# Altium PCB PCB1.PcbDoc (part 1 of 2) (continued)
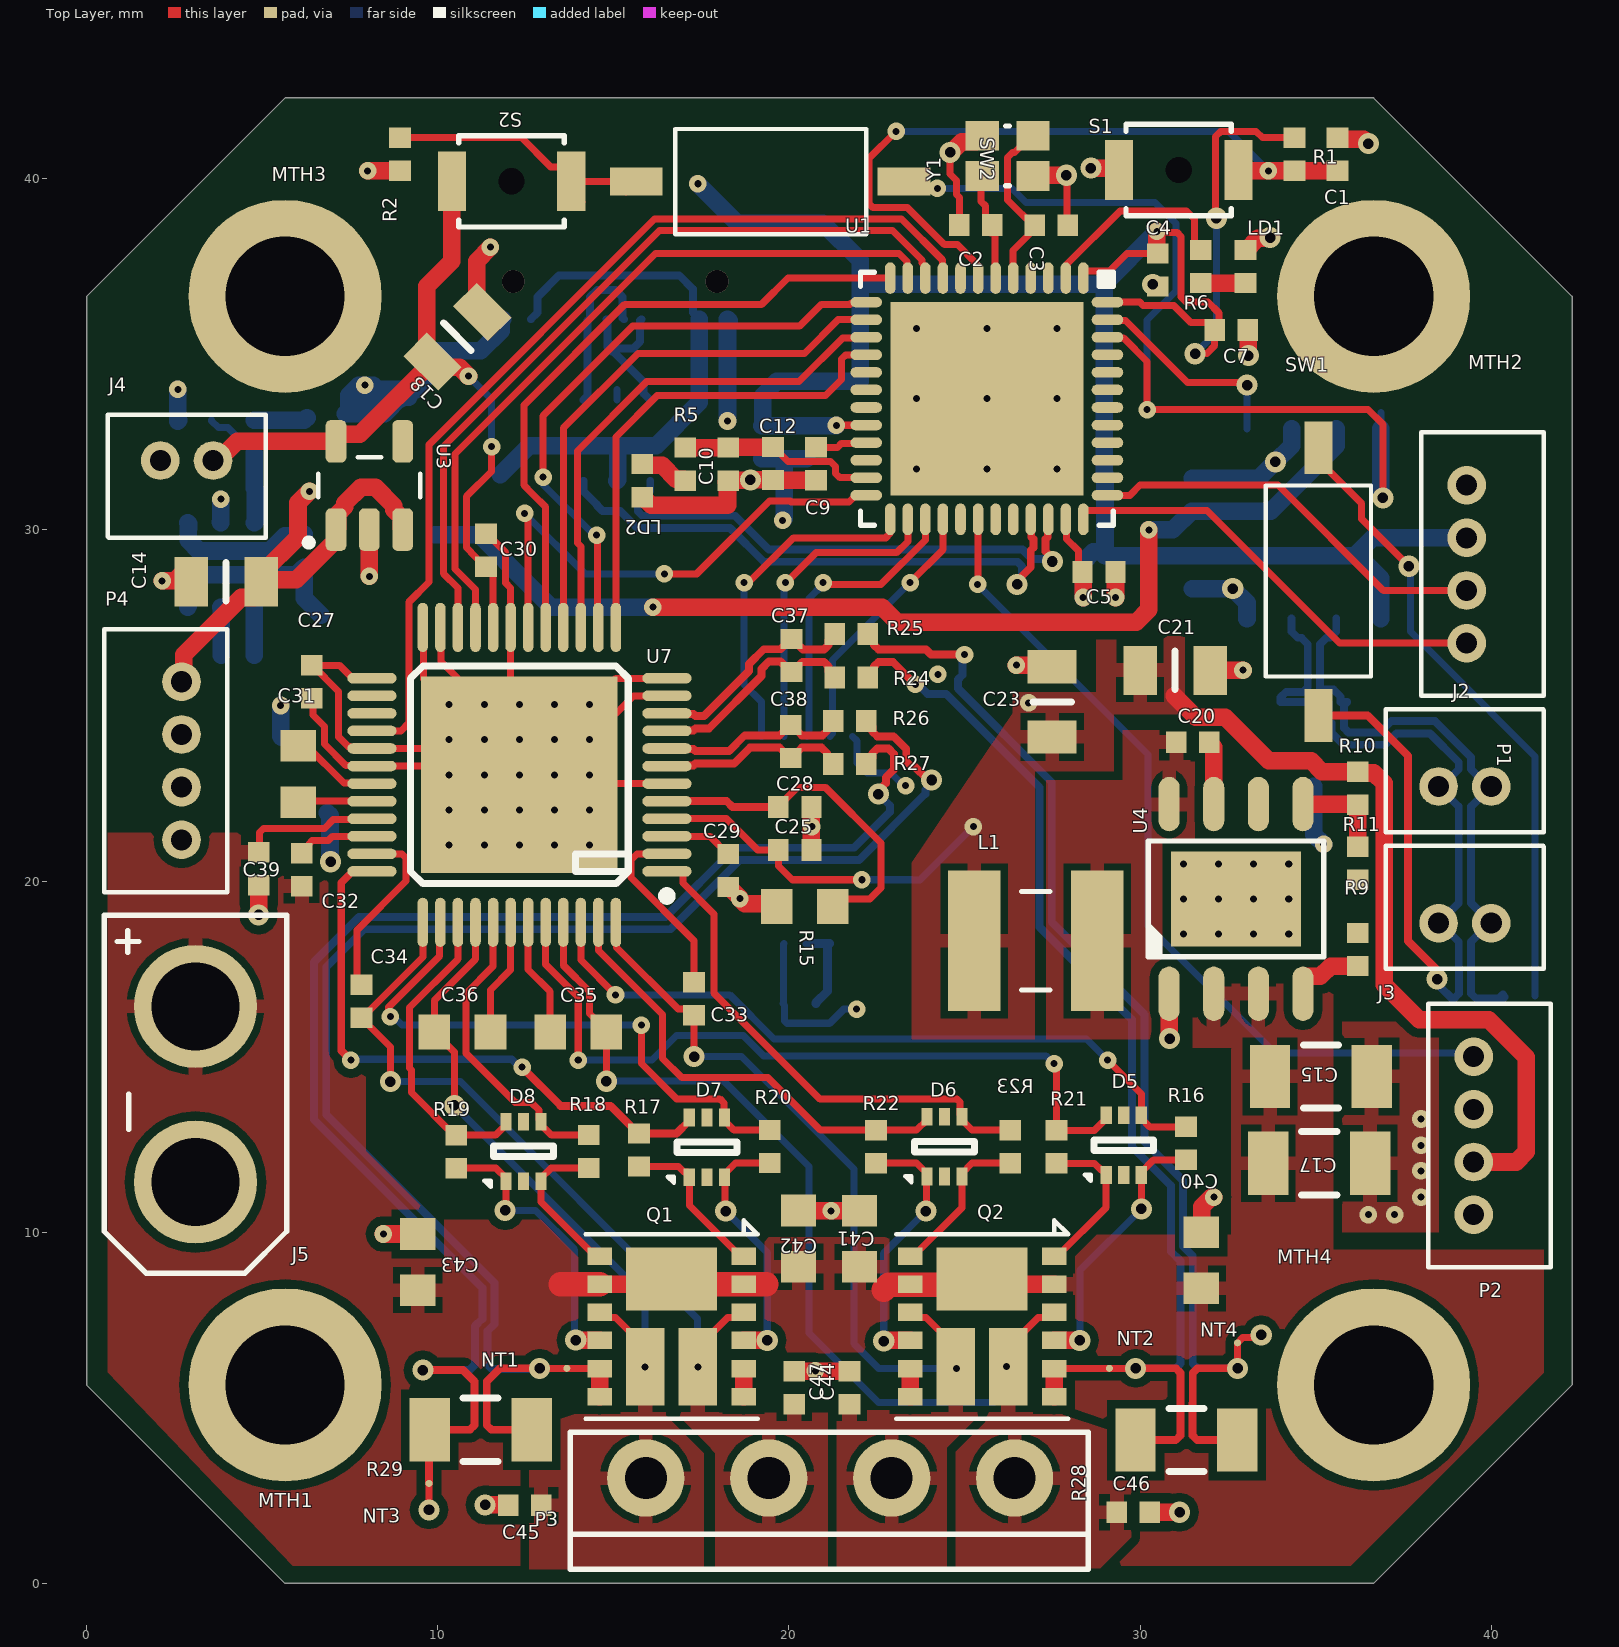
[diagram p0: Top Layer view]
## Design rules (kind name [scope] priority, off if disabled: settings)
AssemblyTestpoint [All] p1: testpointundercomponent=FALSE minsize=1.016 maxsize=2.54 preferedsize=1.524 minholesize=0 maxholesize=1.016 preferedholesize=0.813 testpointgrid=0.025 usegrid=TRUE gridtolerance=0 allowsidetop=TRUE allowsidebottom=TRUE
BoardOutlineClearance [All] p1: gap=0.2 ignorepadtopadclearanceinfootprint=FALSE
Clearance CAN_module [All] p1: gap=0.25 ignorepadtopadclearanceinfootprint=FALSE except(0.125: Arc-Arc Arc-Track Track-Track; 0.15: Arc-SMDPad Track-SMDPad; 0.17: SMDPad-SMDPad; 0.2: Arc-Via Arc-Text Arc-Hole Track-Via Track-Text Track-Hole SMDPad-THPad SMDPad-Via SMDPad-Text SMDPad-Hole THPad-Via THPad-Text THPad-Hole Via-Via Via-Text Via-Hole Fill-Text Fill-Hole Poly-Text Poly-Hole Region-Text Region-Hole Text-Text Text-Hole; 0.4: THPad-THPad)
DiffPairsRouting [All] p1: maxlimit=0.125 minlimit=0.125 mostfreqgap=0.125 toplayer_minwidth=0.225 toplayer_maxwidth=0.225 toplayer_prefwidth=0.225 bottomlayer_minwidth=0.225 bottomlayer_maxwidth=0.225 bottomlayer_prefwidth=0.225 impedanceprofiledriven=TRUE maxuncoupledlength=12.7
FabricationTestpoint [All] p1: side=3 testpointundercomponent=FALSE minsize=1.016 maxsize=2.54 preferedsize=1.524 minholesize=0 maxholesize=1.016 preferedholesize=0.813 testpointgrid=0.025 allowsidetop=TRUE allowsidebottom=TRUE usegrid=TRUE gridtolerance=0 boardedgeclearance=0.4 padholecenterclearance=0.3 viaholecenterclearance=0.3
HoleSize [All] p1: absolutevalues=TRUE maxlimit=6.5 minlimit=0.3 maxpercent=80.000 minpercent=20.000
HoleToHoleClearance [All] p1: gap=0.32 allowstackedmicrovias=TRUE
MinimumAnnularRing [All] p1: minimumring=0.09
MinimumSolderMaskSliver [All] p1: minsoldermaskwidth=0.09
PasteMaskExpansion [All] p1: expansion=0.08
PlaneClearance [All] p1: clearance=0.5
PlaneConnect [All] p1: planeconnectstyle=Relief reliefexpansion=0.508 reliefentries=4 reliefconductorwidth=0.4 reliefairgap=0.2
PolygonConnect PolygonConnect_1 [All] p1: thpad.connectstyle=Relief thpad.reliefconductorwidth=0.4 thpad.reliefentries=4 thpad.polygonreliefangle="90 Angle" thpad.airgapwidth=0.2 smdpad.connectstyle=Relief smdpad.reliefconductorwidth=0.4 smdpad.reliefentries=4 smdpad.polygonreliefangle="90 Angle" smdpad.airgapwidth=0.2 via.connectstyle=Direct via.reliefconductorwidth=0.254 via.reliefentries=4 via.polygonreliefangle="90 Angle" via.airgapwidth=0.254
RoutingVias [All] p1: holewidth=0.3 width=0.6 viastyle="Through Hole" minholewidth=0.2 minwidth=0.5 maxholewidth=0.6 maxwidth=1
SilkToSilkClearance [All] p1: silktosilkclearance=0.2
SilkToSolderMaskClearance [IsPad] p1: minsilkscreentomaskgap=0.15 clearancetoexposedcopper=TRUE
SolderMaskExpansion [All] p1: expansion=0.1 istentingtop=FALSE
Width [All] p1: maxlimit=1 minlimit=0.2 preferedwidth=0.5
19 further rules are at their usual default settings.

## Classes and differential pairs
component class Power_Supply: C14 C15 C16 C17 C18 C19 C20 C21 C22 C23 C24 D4 J5 L1 L2 P2 R8 R9 R10 R11 R12 R13 U3 U4 U5
component class Logic.~(138): C1 C2 C3 C4 C5 C6 C7 C8 C9 C10 C11 C12 C13 C_RX? C_TX? D2 D3 J1 J2 J3 J4 LD1 LD2 MTH1 MTH2 MTH3 MTH4 P1 P4 R1 R2 R5 R6 R7 S1 S2 SW1 SW2 U1 U2 Y1
component class Driver: C25 C26 C27 C28 C29 C30 C31 C32 C33 C34 C35 C36 C37 C38 C39 C40 C41 C42 C43 C44 C45 C46 C47 D5 D6 D7 D8 NT1 NT2 NT3 NT4 P3 Q1 Q2 R15 R16 R17 R18 R19 R20 R21 R22 R23 R24 R25 R26 R27 R28 R29 U6 U7
differential pair SRAH: +SRAH_P -SRAH_N
differential pair SRBH: +SRBH_P -SRBH_N
differential pair D: +D_P -D_N
differential pair CAN: +CAN_P -CAN_N

## Components (designator, comment, footprint, x,y, rotation, side; value= is the part's Value field where it differs from the comment)
C1 "100nF 16V X7R ±10%" 0402 35.624,40.7 r270 top
C2 "4pF 50V C0G (NP0) ±0.25 pF" 0402 25.323,38.686 r180 top
C3 "4pF 50V C0G (NP0) ±0.25 pF" 0402 27.475,38.675 r0 top
C4 "100nF 16V X7R ±10%" 0402 30.5,37.4 r90 top
C5 "100nF 16V X7R ±10%" 0402 28.83,28.8 r180 top
C6 "100nF 16V X7R ±10%" 0402 31.486,31 r270 bottom
C7 "100nF 16V X7R ±10%" 0402 32.6,35.691 r180 top
C8 "100nF 16V X7R ±10%" 0402 31.486,28.8 r90 bottom
C9 "100nF 16V X7R ±10%" 0402 20.772,31.881 r90 top
C10 "1 µF 16V X5R ±10%" 0402 18.275,31.875 r270 top
C11 "100nF 16V X7R ±10%" 0402 19.225,32.5 r90 bottom
C12 "1 µF 16V X5R ±10%" 0402 19.547,31.891 r270 top
C13 "100nF 16V X7R ±10%" 0402 20.5,32.5 r90 bottom
C14 "10 µF 16V X5R ±10%" 0805 3.975,28.525 r180 top
C15 "4,7 µF 100V X5R ±10%" 1206 35.15,14.438 r0 top
C16 "1 µF 100V X5R ±10%" 0805 5.85,21.948 r0 bottom
C17 "100 nF 100V X5R ±10%" 1206 35.1,11.963 r0 top
C18 "10 µF 16V X5R ±10%" 0805 10.557,35.5 r45 top
C19 "100nF 16V X7R ±10%" 0402 6.2,29.4 r90 bottom
C20 "100nF 16V X7R ±10%" 0402 31.5,23.956 r0 top
C21 "10 µF 16V X5R ±10%" 0805 31,26 r0 top
C22 "10 µF 16V X5R ±10%" 0805 9.175,32.775 r90 bottom
C23 "10 µF 16V X5R ±10%" 0805 27.496,25.104 r90 top
C24 "22 µF 10V X5R ±10%" 0603 7.371,32.511 r90 bottom
C25 "100 nF 100V X5R ±10%" 0402 20.171,20.886 r0 top
C26 "100nF 16V X7R ±10%" 0402 20.298,16.511 r0 bottom
C27 "470nF 50V ±10%" 0402 6.41,25.675 r90 top
C28 "2.2μF 16V X5R 20%" 0402 20.171,22.11 r180 top
C29 "2.2μF 16V X5R 20%" 0402 18.275,20.3 r90 top
C30 "100nF 16V X7R ±10%" 0402 11.375,29.425 r270 top
C31 "22 nF 100V X7R ±10%" 0603 6.025,23.05 r270 top
C32 "100 nF 100V X5R ±10%" 0402 6.125,20.325 r270 top
C33 "220 nF 25 X7R ±10%" 0402 17.3,16.651 r270 top
C34 "220 nF 25 X7R ±10%" 0402 7.825,16.575 r270 top
C35 "220 nF 25 X7R ±10%" 0603 14,15.7 r0 top
C36 "220 nF 25 X7R ±10%" 0603 10.7,15.7 r180 top
C37 "2.2 nF 100V X7R ±10%" 0402 20.075,26.425 r270 top
C38 "2.2 nF 100V X7R ±10%" 0402 20.05,23.975 r90 top
C39 "100 nF 100V X5R ±10%" 0402 4.9,20.35 r270 top
C40 "220 nF 100V X7S ±10%" 0603 31.74,9.2 r90 top
C41 "220 nF 100V X7S ±10%" 0603 22.004,9.813 r270 top
C42 "220 nF 100V X7S ±10%" 0603 20.275,9.819 r270 top
C43 "220 nF 100V X7S ±10%" 0603 9.429,9.15 r270 top
C44 "1 nF 100V X7R ±10%" 0402 21.725,5.574 r270 top
C45 "1 nF 100V X7R ±10%" 0402 12.475,2.225 r0 top
C46 "1 nF 100V X7R ±10%" 0402 29.8,2.025 r180 top
C47 "1 nF 100V X7R ±10%" 0402 20.15,5.574 r270 top
D2 "3.3" SOT23-6L 15.1,32.55 r270 bottom
D3 "VRWM=24V, VBR(Min)=26.2 V, VC=44 V" SOT-23 34.95,23.9 r270 bottom value="VRWM=24V, VBR(Min)=26.2 V, VC=44 V"
D4 "STPS0560Z 60 V" SOD-123FL 7.075,24.102 r180 bottom
D5 "BAT40V" SOT563-6 29.536,12.479 r90 top
D6 "BAT40V" SOT563-6 24.428,12.437 r90 top
D7 "BAT40V" SOT563-6 17.665,12.418 r90 top
D8 "BAT40V" SOT563-6 12.44,12.3 r90 top
J1 "USBC-U262-16XN-4BSS73-T" U262-161N-4BSS73-T 15.04,38.2 r0 bottom
J2 "JST-1.5-2" "JST- 2 X - 1.5" 39.25,22.694 r0 top
J3 "JST-1.5-2" "JST- 2 X - 1.5" 39.25,18.8 r0 top
J4 "JST-1.5-2" "JST- 2 X - 1.5" 2.85,31.975 r180 top
J5 "XT30U" XT30U-M 3.1,13.929 r90 top
L1 "22uH 1.5 A ±20%" SRN5040 27.029,18.3 r180 top
L2 "22uH 1.5 A ±20%" SRN5040 9.925,28.106 r90 bottom
LD1 "SZYY0402G (Green) /" "0402 GREEN FLAT" 33,37.5 r90 top
LD2 "SML-P11UTT86R (Red) /" "0402 RED FLAT" 15.826,31.405 r270 top
MTH1 "MTH_M3" MTH 5.65,5.65 r0 top locked
MTH2 "MTH_M3" MTH 36.65,36.65 r0 top locked
MTH3 "MTH_M3" MTH 5.65,36.65 r0 top
MTH4 "MTH_M3" MTH 36.65,5.65 r0 top
NT1 "Net_Tie" Net_Tie 13.675,6.125 r180 top net-tie
NT2 "Net_Tie" Net_Tie 29.125,6.125 r0 top net-tie
NT3 "Net_Tie" Net_Tie 9.75,2.096 r90 top net-tie
NT4 "Net_Tie" Net_Tie 32.775,6.85 r270 top net-tie
P1 "JST-1.5-4x" "JST- 4X - 1.5" 39.3,29.025 r270 top
P2 "JST-1.5-4x" "JST- 4X - 1.5" 39.5,12.75 r270 top
P3 "15EDGRC-3.5-04P Dinkle" 15EDGRC-3.5-04P 15.925,3 r0 top
P4 "JST-1.5-4x" "JST- 4X - 1.5" 2.703,23.425 r90 top
Q1 "DMHT6016LFJ" "V-DFN5045-12 (Type B)" 16.657,7.318 r270 top
Q2 "DMHT6016LFJ" "V-DFN5045-12 (Type B)" 25.5,7.318 r270 top
R1 "10K 1/5W" 0402 34.4,40.699 r90 top
R2 "10K 1/5W" 0402 8.925,40.7 r270 top
R5 "1.5 kOhm 1/16W" 0402 17.05,31.875 r270 top
R6 "1.5 kOhm 1/16W" 0402 31.724,37.5 r90 top
R7 "120 Ohm 1/8 W" 0402 40.85,16.7 r0 bottom
R8 "100 kOhm 1/8 W" 0402 4.3,26.35 r180 bottom
R9 "25,5 kOhm 1/16 W" 0402 36.197,18.05 r270 top
R10 "100 kOhm 1/8 W" 0402 36.197,22.647 r90 top
R11 "9.09 kOhm 1/16 W" 0402 36.197,20.503 r90 top
R12 "54,9 kOhm 1/16 W" 0402 4.775,32.65 r90 bottom
R13 "10K 1/5W" 0402 3.091,33.125 r0 bottom
R15 "2.2 Ohm 1/10 W" 0603 20.45,19.275 r180 top
R16 "10 Ohm 1/16 W" 0402 31.311,12.529 r270 top
R17 "10 Ohm 1/16 W" 0402 15.729,12.343 r270 top
R18 "10 Ohm 1/16 W" 0402 14.3,12.3 r270 top
R19 "10 Ohm 1/16 W" 0402 10.525,12.293 r270 top
R20 "10 Ohm 1/16 W" 0402 19.454,12.443 r270 top
R21 "10 Ohm 1/16 W" 0402 27.62,12.429 r270 top
R22 "10 Ohm 1/16 W" 0402 22.478,12.437 r270 top
R23 "10 Ohm 1/16 W" 0402 26.303,12.437 r270 top
R24 "47 Ohm 1/16 W" 0402 21.775,25.8 r0 top
R25 "47 Ohm 1/16 W" 0402 21.775,27.034 r0 top
R26 "47 Ohm 1/16 W" 0402 21.735,24.559 r0 top
R27 "47 Ohm 1/16 W" 0402 21.735,23.334 r0 top
R28 "0.05 Ohm 1 W" 1206 31.321,4.079 r180 top
R29 "0.05 Ohm 1 W" 1206 11.221,4.375 r0 top
S1 "B3U1000PB" B3U1000PB 31.099,40.25 r180 top
S2 "B3U1000PB" B3U1000PB 12.1,39.925 r0 top
SW1 "Switch_DIP" "SMD 2.9x5.4mm" 35.075,28.525 r90 top
SW2 "Switch_DIP" "SMD 2.9x5.4mm" 19.464,39.917 r0 top
U1 "STM32G431CBU6" QFN-48-0.5-7x7_TP 25.636,33.736 r270 top
U2 "CAN_FD" SOIC-8 34.95,30.175 r270 bottom
U3 "LP5907MFX-3.3/NOPB" SOT23-5 8.05,31.264 r90 top
U4 "LMR38020" SOIC-8_TP 32.733,19.492 r90 top
U5 "LMR16006YDDCR" SOT-23-6 3.825,29 r270 bottom
U6 "AS5047P" TSSOP-14-0.65 21.163,21.17 r270 bottom
U7 "TMC5160" TQFP48-0.5-EP 12.324,23.025 r180 top locked
Y1 "48MHz 7pF ±10ppm" 2016 26.225,40.65 r180 top

## Footprints (in the part's own frame and the unit in brackets; to place one, negate y for a bottom-side part, rotate by r counter-clockwise, add the part's x,y. Pads: shape width x height; smd on the part's side, far side on the other; paste and mask are expansions set on the pad)
15EDGRC-3.5-04P [mm]
  round 2.2 hole 1.2: 1(0,0) 2(3.5,0) 3(7,0) 4(10.5,0)
  silkscreen extent -2.15,-2.6 12.6,1.3, body extent -2.15,-8 12.65,1.2, height 7.25
0402 [mm] "Chip Resistor, EIA 0402, Metric 1005, Body 1.0x0.5mm, IPC Medium Density"
  rect 0.58x0.62 smd: 1(-0.47,0) 2(0.47,0)
  body extent -0.52,-0.27 0.52,0.27, height 0.55
"0402 GREEN FLAT" [mm] "Chip Resistor, EIA 0402, Metric 1005, Body 1.0x0.5mm, IPC Medium Density"
  rect 0.58x0.62 smd: 1(-0.47,0) 2(0.47,0)
  body extent -0.5,-0.25 0.5,0.25, height 0.25
"0402 RED FLAT" [mm] "Chip Resistor, EIA 0402, Metric 1005, Body 1.0x0.5mm, IPC Medium Density"
  rect 0.58x0.62 smd: 1(-0.47,0) 2(0.47,0)
  body extent -0.5,-0.25 0.5,0.25, height 0.25
0603 [mm] "Chip Resistor, EIA 0603, Metric 1608, Body 1.6x0.8mm, IPC Medium Density"
  rect 0.9x1 smd: 1(-0.8,0) 2(0.8,0)
  body extent -0.87,-0.47 0.88,0.48, height 0.85
0805 [mm] "Chip Resistor, EIA 0805, Metric 2012, Body 2.0x1.2mm, IPC Medium Density"
  rect 0.95x1.4 smd: 1(-1,0) 2(1,0)
  silkscreen extent 0,-0.55 0,0.55, body extent -1.05,-0.67 1.05,0.68, height 1.1
1206 [mm] "Chip Resistor, EIA 1206, Metric 3216, Body 3.2x1.6mm, IPC Medium Density"
  rect 1.15x1.8 smd: 1(-1.45,0) 2(1.45,0)
  silkscreen extent -0.5,-0.9 0.5,0.9, body extent -1.7,-0.9 1.7,0.9, height 0.94
2016 [mm] "Crystal 2.0 x 1.6 mm"
  rect 0.95x0.85 smd: 1(-0.725,-0.575) 2(0.725,-0.575) 3(0.725,0.575) 4(-0.725,0.575)
  silkscreen extent -0.05,-0.85 0.05,0.85, body extent -1.05,-0.85 1.05,0.85, height 0.56
B3U1000PB [mm] "Ultra-small tactile switch"
  rect 0.8x1.7 smd: 1(-1.7,0) 2(1.7,0)
  round 0 hole 0.75: 3(0,0)
  silkscreen extent -1.5,-1.3 1.5,1.3, body extent -2,-1.25 2,1.25, height 1.6
"JST- 2 X - 1.5" [mm]
  round 1.1 hole 0.6: 1(-0.75,0) 2(0.75,0)
  silkscreen extent -2.25,-1.3 2.25,2.2, body extent -2.25,-1.3 2.25,2.2, height 4.5
"JST- 4X - 1.5" [mm]
  round 1.1 hole 0.6: 1(-2.25,0) 2(-0.75,0) 3(0.75,0) 4(2.25,0)
  silkscreen extent -3.75,-1.3 3.75,2.2, body extent -3.72,-1.3 3.78,2.2, height 4.5
MTH [mm]
  round 5.5 hole 3.4: MTH(0,0)
Net_Tie [mm]
  round 0.2 smd: 1(0.75,0) 2(0,0)
  Top Layer lines w0.2: 0.75,0 0,0
QFN-48-0.5-7x7_TP [mm]
  round 0.5 / inner round 0.6 / far side round 0.6 hole 0.2: 0(-2,2) 0(-2,0) 0(-2,-2) 0(0,2) 0(0,0) 0(0,-2) 0(2,2) 0(2,0) 0(2,-2)
  rect 5.5x5.5 smd: 0(0,0)
  oval 0.9x0.3 smd: 1(-3.435,2.75) 2(-3.435,2.25) 3(-3.435,1.75) 4(-3.435,1.25) 5(-3.435,0.75) 6(-3.435,0.25) 7(-3.435,-0.25) 8(-3.435,-0.75) 9(-3.435,-1.25) 10(-3.435,-1.75) 11(-3.435,-2.25) 12(-3.435,-2.75) 25(3.435,-2.75) 26(3.435,-2.25) 27(3.435,-1.75) 28(3.435,-1.25) 29(3.435,-0.75) 30(3.435,-0.25) 31(3.435,0.25) 32(3.435,0.75) 33(3.435,1.25) 34(3.435,1.75) 35(3.435,2.25) 36(3.435,2.75)
  oval 0.3x0.9 smd: 13(-2.75,-3.435) 14(-2.25,-3.435) 15(-1.75,-3.435) 16(-1.25,-3.435) 17(-0.75,-3.435) 18(-0.25,-3.435) 19(0.25,-3.435) 20(0.75,-3.435) 21(1.25,-3.435) 22(1.75,-3.435) 23(2.25,-3.435) 24(2.75,-3.435) 37(2.75,3.435) 38(2.25,3.435) 39(1.75,3.435) 40(1.25,3.435) 41(0.75,3.435) 42(0.25,3.435) 43(-0.25,3.435) 44(-0.75,3.435) 45(-1.25,3.435) 46(-1.75,3.435) 47(-2.25,3.435) 48(-2.75,3.435)
  silkscreen extent -3.6,-3.6 3.6,3.6, body extent -3.51,-3.51 3.51,3.51, height 0.78
"SMD 2.9x5.4mm" [mm]
  rect 1.5x0.8 smd: 1(-3.81,0) 2(3.81,0)
  silkscreen extent -2.7,-1.5 2.74,1.5, body extent -4.2,-1.44 4.3,1.43, height 2.36
SOD-123FL [mm] "SODFL, 2-Leads, Body 1,65x3,60mm, IPC Medium Density"
  rect 1.1x1.1 smd: 1(-1.525,0) 2(1.525,0)
  silkscreen extent -0.7,-0.8 -0.6,0.8, body extent -1.8,-0.82 1.8,0.82, height 0.95
SOIC-8 [mm]
  oval 1.55x0.6 smd: 1(-2.7,1.905) 2(-2.7,0.635) 3(-2.7,-0.635) 4(-2.7,-1.905) 5(2.7,-1.905) 6(2.7,-0.635) 7(2.7,0.635) 8(2.7,1.905)
  silkscreen extent -1.65,-2.5 1.65,2.5, body extent -3.1,-2.5 3.1,2.5, height 1.75
SOIC-8_TP [mm]
  rect 2.71x3.7 smd: 0(0,0)
  oval 1.55x0.6 smd: 1(-2.7,1.905) 2(-2.7,0.635) 3(-2.7,-0.635) 4(-2.7,-1.905) 5(2.7,-1.905) 6(2.7,-0.635) 7(2.7,0.635) 8(2.7,1.905)
  silkscreen extent -1.65,-2.5 1.65,2.5, body extent -3.1,-2.5 3.1,2.5, height 1.75
SOT23-5 [mm]
  rrect50% 1.21x0.59 smd: 1(-1.255,0.95) 2(-1.255,0) 3(-1.255,-0.95) 4(1.255,-0.95) 5(1.255,0.95)
  silkscreen extent -1.72,-1.45 0.8,1.82, body extent -1.4,-1.45 1.4,1.45, height 1.45
SOT23-6L [mm] "SOT23, 6-Leads, Body 2,93x2,80mm, Pitch 0,95mm, IPC Medium Density"
  rect 1.2x0.6 smd: 1(-1.15,0.95) 2(-1.15,0) 3(-1.15,-0.95) 4(1.15,-0.95) 5(1.15,0) 6(1.15,0.95)
  silkscreen extent -1.59,-1.55 0.5,1.84, body extent -1.6,-1.52 1.6,1.52, height 1.45
SOT563-6 [mm]
  rect 0.5x0.32 smd: 1(-0.85,0.5) 2(-0.85,0) 3(-0.85,-0.5) 4(0.85,-0.5) 5(0.85,0) 6(0.85,0.5)
  silkscreen extent -1.01,-0.85 0.15,1.11, body extent -0.63,-0.85 0.63,0.85, height 0.6
SOT-23 [mm]
  rect 0.8x0.55 smd: 1(-1.2,0.95) 2(-1.2,-0.95) 3(1.2,0)
  Top Layer pour cut-out: -1.6,1.225 -1.6,-1.225 0.8,-1.225 0.8,1.225
  silkscreen extent -0.3,-1.45 0.3,1.45, body extent -1.25,-1.5 1.25,1.5, height 1.2
SOT-23-6 [mm]
  rect 0.8x0.55 smd: 1(-1.2,0.95) 2(-1.2,0) 3(-1.2,-0.95) 4(1.2,-0.95) 5(1.2,0) 6(1.2,0.95)
  silkscreen extent -1.6,-1.5 1.6,1.55, body extent -1.4,-1.5 1.48,1.5, height 1.1
SRN5040 [mm] "Semi-shielded Power Inductors"
  rect 1.5x4 smd: 1(-1.75,0) 2(1.75,0)
  silkscreen extent -0.4,-1.4 0.4,1.4, body extent -2.5,-2.51 2.5,2.51, height 3.45
TQFP48-0.5-EP [mm]
  oval 1.4x0.3 smd: 1(-4.2,2.75) 2(-4.2,2.25) 3(-4.2,1.75) 4(-4.2,1.25) 5(-4.2,0.75) 6(-4.2,0.25) 7(-4.2,-0.25) 8(-4.2,-0.75) 9(-4.2,-1.25) 10(-4.2,-1.75) 11(-4.2,-2.25) 12(-4.2,-2.75) 25(4.2,-2.75) 26(4.2,-2.25) 27(4.2,-1.75) 28(4.2,-1.25) 29(4.2,-0.75) 30(4.2,-0.25) 31(4.2,0.25) 32(4.2,0.75) 33(4.2,1.25) 34(4.2,1.75) 35(4.2,2.25) 36(4.2,2.75)
  oval 0.3x1.4 smd: 13(-2.75,-4.2) 14(-2.25,-4.2) 15(-1.75,-4.2) 16(-1.25,-4.2) 17(-0.75,-4.2) 18(-0.25,-4.2) 19(0.25,-4.2) 20(0.75,-4.2) 21(1.25,-4.2) 22(1.75,-4.2) 23(2.25,-4.2) 24(2.75,-4.2) 37(2.75,4.2) 38(2.25,4.2) 39(1.75,4.2) 40(1.25,4.2) 41(0.75,4.2) 42(0.25,4.2) 43(-0.25,4.2) 44(-0.75,4.2) 45(-1.25,4.2) 46(-1.75,4.2) 47(-2.25,4.2) 48(-2.75,4.2)
  rect 5.6x5.6 smd: 49(0,0)
  silkscreen extent -4.33,-3.1 3.1,3.57, body extent -4.5,-4.5 4.5,4.5, height 1.15
TSSOP-14-0.65 [mm]
  rect 1.4x0.45 smd: 1(-2.95,1.95) 2(-2.95,1.3) 3(-2.95,0.65) 4(-2.95,0) 5(-2.95,-0.65) 6(-2.95,-1.3) 7(-2.95,-1.95) 8(2.95,-1.95) 9(2.95,-1.3) 10(2.95,-0.65) 11(2.95,0) 12(2.95,0.65) 13(2.95,1.3) 14(2.95,1.95)
  silkscreen extent -3.07,-2.55 1.85,2.85, body extent -3.2,-2.55 3.2,2.55, height 1.1
U262-161N-4BSS73-T [mm]
  rect 2.18x2 smd: 1(-5.11,1.7) 2(-5.11,-2.2) 3(5.11,1.7) 4(5.11,-2.2)
  rect 0.6x1.15 smd: A1B12(-3.19,2.2) A4B9(-2.39,2.2) A9B4(2.41,2.2) A12B1(3.21,2.2)
  rect 0.3x1.15 smd: A5(-1.24,2.2) A6(-0.24,2.2) A7(0.26,2.2) A8(1.26,2.2) B5(1.76,2.2) B6(0.76,2.2) B7(-0.74,2.2) B8(-1.74,2.2)
  silkscreen extent -4.5,-5.05 4.65,0.46, body extent -5.5,-5.07 5.5,2.78, height 3.2
"V-DFN5045-12 (Type B)" [mm]
  rect 0.5x0.7 smd: 1(-2,2.05) 2(-1.2,2.05) 3(-0.4,2.05) 4(0.4,2.05) 5(1.2,2.05) 6(2,2.05) 7(2,-2.05) 8(1.2,-2.05) 9(0.4,-2.05) 10(-0.4,-2.05) 11(-1.2,-2.05) 12(-2,-2.05)
  rect 1.8x2.6 smd: 13(-1.35,0)
  rect 2.2x1.1 smd: 14(1.15,0.75) 15(1.15,-0.75)
  silkscreen extent -3.03,-2.45 2.63,2.45, body extent -2.52,-2.28 2.53,2.27, height 0.75
XT30U-M [mm]
  round 3.5 hole 2.5: 1(2.5,0) 2(-2.5,0)
  silkscreen extent -5.1,-2.6 5.1,2.6, body extent -5.14,-2.77 5.15,2.77, height 10.8

## Part data
C1 C4 C5 C6 C7 C8 C9 C11 C13 C19 C20 C26 C30: library part "Capacitor ceramic", "Ceramic capacitor", Capacitance=100nF, Dielectric=X7R, Manufacturer=Yageo, Tolerance=±10%, Voltage=16V, BOMString="100nF 16V ±10% 0402", Name=CC0402KRX7R7BB104
C2 C3: library part "Capacitor ceramic", "Ceramic capacitor", Capacitance=4pF, Dielectric="C0G (NP0)", Manufacturer=Murata, Tolerance="±0.25 pF", Voltage=50V, BOMString="4pF 50V ±0.25 pF 0402", Name=CC0402CRNPO9BN4R0
C10 C12: library part "Capacitor ceramic", "Ceramic capacitor", Capacitance="1 µF", Dielectric=X5R, Manufacturer=Yageo, Tolerance=±10%, Voltage=16V, BOMString="1 µF 16V ±10% 0402", Name=CC0402KRX5R7BB105
C14 C18 C21 C22 C23: library part "Capacitor ceramic", "Ceramic capacitor", Capacitance="10 µF", Dielectric=X5R, Manufacturer=MURATA, Tolerance=±10%, Voltage=16V, BOMString="10 µF 16V ±10% 0805", HQ Part=CA0134789, Name=GRM21BR61C106KE15L
C15: library part "Capacitor ceramic", "Ceramic capacitor", Capacitance="4,7 µF", Dielectric=X5R, Manufacturer="Taiyo Yuden", Tolerance=±10%, Voltage=100V, BOMString="4,7 µF 100V ±10% 1206", Name=HMK325BJ475KN-TE
C16: library part "Capacitor ceramic", "Ceramic capacitor", Capacitance="1 µF", Dielectric=X5R, Manufacturer=Yageo, Tolerance=±10%, Voltage=100V, BOMString="1 µF 100V ±10% 0805", Name=CC0805KKX7R0BB105
C17 C25 C32 C39: library part "Capacitor ceramic", "Ceramic capacitor", Capacitance="100 nF", Dielectric=X5R, Manufacturer=MURATA, Tolerance=±10%, Voltage=100V, Name=GRM155R62A104KE14D
  C17: BOMString="100 nF 100V ±10% 1206"
  C25 C32 C39: BOMString="100 nF 100V ±10% 0402"
C24: library part "Capacitor ceramic", "Ceramic capacitor", Capacitance="22 µF", Dielectric=X5R, Manufacturer=Yageo, Tolerance=±10%, Voltage=10V, BOMString="22 µF 10V ±10% 0603", Name=CC0603MRX5R6BB226
C27: library part Cap, "Capacitor", Capacitance=470nF, Manufacturer=Walsin, Tolerance=±10%, Voltage=50V, BOMString="470nF 50V ±10% 0402", Name=0402X474K500CT
C28 C29: library part "Capacitor ceramic", "Ceramic capacitor", Capacitance=2.2μF, Dielectric=X5R, Manufacturer=FH, Tolerance=20%, Voltage=16V, BOMString="2.2μF 16V 20% 0402", Name=0402X225M160NT
C31: library part "Capacitor ceramic", "Ceramic capacitor", Capacitance="22 nF", Dielectric=X7R, Manufacturer=Yageo, Tolerance=±10%, Voltage=100V, BOMString="22 nF 100V ±10% 0603", Name=CC0603KRX7R0BB223
C33 C34 C35 C36: library part "Capacitor ceramic", "Ceramic capacitor", Capacitance="220 nF", Dielectric=X7R, Manufacturer=CCTC, Tolerance=±10%, Voltage=25, Name=TCC0402X7R224K250AT
  C33 C34: BOMString="220 nF 25 ±10% 0402"
  C35 C36: BOMString="220 nF 25 ±10% 0603"
C37 C38: library part "Capacitor ceramic", "Ceramic capacitor", Capacitance="2.2 nF", Dielectric=X7R, Manufacturer=CCTC, Tolerance=±10%, Voltage=100V, BOMString="2.2 nF 100V ±10% 0402", Name=GRM155R72A222KA01D
C40 C41 C42 C43: library part "Capacitor ceramic", "Ceramic capacitor", Capacitance="220 nF", Dielectric=X7S, Manufacturer="Taiyo Yuden", Tolerance=±10%, Voltage=100V, BOMString="220 nF 100V ±10% 0603", Name=HMK107C7224KAHTE
C44 C45 C46 C47: library part "Capacitor ceramic", "Ceramic capacitor", Capacitance="1 nF", Dielectric=X7R, Manufacturer=Yageo, Tolerance=±10%, Voltage=100V, BOMString="1 nF 100V ±10% 0402", Name=CC0402KRX7R0BB102
D2: library part TWS_USB_sot23, "TWS", Manufacturer=ST, BOMString="USBLC6-2SC6 3.3", Name=USBLC6-2SC6, Price=0, Price10k=0
D3: library part ZenerDiodeDoubleCCBidir, "Zener Diode double CC", Manufacturer=ON, BOMString="ESD VRWM=24V, VBR(Min)=26.2 V, VC=44 V, IPP = 8A, Ppp = 350W, SOT23", Device=diode, HQ Part=CP0103362, Name=NUP2105LT1G, Price(1)=0, Price(100)=0, Supplier=supplier
D4: library part SchottkyDiode, "Schottky Diode", Manufacturer=ST, Voltage="60 V", BOMString="STPS0560Z  60 V 'SOD-123FL", Device=diode, HQ Part=DS0002882, Name=STPS0560Z, Price(1)=0, Price(100)=0, Supplier=supplier
L1 L2: library part "Inductance cored", "Inductor with iron core", Current="1.5 A", Inductance=22uH, Manufacturer=Sunlord, Resistance=168mΩ, Tolerance=±20%, BOMString="22uH ±20% SRN5040", HQ Part=IN0024300, Name=SWPA5040S220MT
LD1: library part "LED Green", "Green LED", Color=Green, Current="15 mA", Manufacturer=YONGYU, BOMString="SZYY0402G (Green) /  15 mA 0402 GREEN FLAT", Name=SZYY0402G
LD2: library part "LED Red", "Red LED", Color=Red, Current="20 mA", Manufacturer=ROHM, BOMString="SML-P11UTT86R (Red) /  20 mA 0402 RED FLAT", Name=SML-P11UTT86R
P3: library part TerminalBlock4, Manufacturer=Dinkle, HelpURL=https://static.chipdip.ru/lib/874/DOC000874642.pdf, Name=15EDGRC-3.5-04P, Supplier=https://www.chipdip.ru/product/ech381v-05p
R1 R2 R13: library part Resistor, "Thin Film Chip Resistor", Manufacturer=YAGEO, Power=1/5W, Resistance=10K, Tolerance=±1%, BOMString="10K ±1% 1/5W 0402", Name=SR0402FR-7T10KL
R5 R6: library part Resistor, "Thin Film Chip Resistor", Manufacturer=YAGEO, Power=1/16W, Resistance="1.5 kOhm", Tolerance=±1%, BOMString="1.5 kOhm ±1% 1/16W 0402", Name=AC0402FR-071K5L
R7: library part Resistor, "Thick Film Chip Resistor", Manufacturer=Yageo, Power="1/8 W", Resistance="120 Ohm", Tolerance=±1%, BOMString="120 Ohm ±1% 1/8 W 0402", HQ Part=RE0210070, Name=RC0402FR-7W120RL, Supplier 1="Future Electronics"
R8 R10: library part Resistor, "Thik Film Chip Resistor", Manufacturer=Yageo, Power="1/8 W", Resistance="100 kOhm", Tolerance=±1%, BOMString="100 kOhm ±1% 1/8 W 0402", Name=RC0402FR-7W100KL
  R10: HQ Part=RE0186870
R9: library part Resistor, "Thik Film Chip Resistor", Manufacturer=Yageo, Power="1/16 W", Resistance="25,5 kOhm", Tolerance=±1%, BOMString="25,5 kOhm ±1% 1/16 W 0402", Name=RC0402FR-0725K5L
R11: library part Resistor, "Thik Film Chip Resistor", Manufacturer=Ralec, Power="1/16 W", Resistance="9.09 kOhm", Tolerance=±1%, BOMString="9.09 kOhm ±1% 1/16 W 0402", Name=RTT029091FTH
R12: library part Resistor, "Thik Film Chip Resistor", Manufacturer=Yageo, Power="1/16 W", Resistance="54,9 kOhm", Tolerance=±1%, BOMString="54,9 kOhm ±1% 1/16 W 0402", HQ Part=RE0186870, Name=RC0402FR-0754K9L
R15: library part Resistor, "Thik Film Chip Resistor", Manufacturer=Uniohm, Power="1/10 W", Resistance="2.2 Ohm", Tolerance=±1%, BOMString="2.2 Ohm ±1% 1/10 W 0603", Name=0603WAF220KT5E
R16 R17 R18 R19 R20 R21 R22 R23: library part Resistor, "Thik Film Chip Resistor", Manufacturer=Yageo, Power="1/16 W", Resistance="10 Ohm", Tolerance=±1%, BOMString="10 Ohm ±1% 1/16 W 0402", Name=AC0402FR-0710RL
R24 R25 R26 R27: library part Resistor, "Thik Film Chip Resistor", Manufacturer=Yageo, Power="1/16 W", Resistance="47 Ohm", Tolerance=±1%, BOMString="47 Ohm ±1% 1/16 W 0402", Name=RC0402FR-0747RL
R28 R29: library part Resistor, "Thik Film Chip Resistor", Manufacturer=Panasonic, Power="1 W", Resistance="0.05 Ohm", Tolerance=±1%, BOMString="0.05 Ohm ±1% 1 W 1206", Name=ERJ-8CWFR050V
S1 S2: library part TactileButton2pin, "SMD Tactile switch", BOMString=B3U1000PB, Datasheet=http://www.te.com/usa-en/product-1437566-3.html, Name=B3U1000PB, Price(1)=0.218, Price(100)=0.1817, Supplier=http://www.compel.ru/infosheet/TE/1437566-3
U3: "\"Low-dropout regulator\""
Y1: library part "Crystal 4 pin", "Quartz crystal", Frequency="48MHz 7pF", Manufacturer="HD FREQUENCY", Tolerance=±10ppm, BOMString="48MHz 7pF ±10ppm 2016", HelpURL=http://geyer-electronic.de/uploads/tx_userartikelfrequenz/GEYER-KX-9A_01.pdf, Name=7D048000C01

## Via types
v1: diameter 0.5/0.5 (per signal layer), hole 0.2, Top Layer to Bottom Layer, 97 vias
v2: diameter 0.6/0.6 (per signal layer), hole 0.3, Top Layer to Bottom Layer, 43 vias
v3: diameter 0.5, hole 0.2, Top Layer to Bottom Layer, 8 vias
v4: diameter 0.65/0.65 (per signal layer), hole 0.65, Top Layer to Bottom Layer, 2 vias

## Nets (pads, with @x,y where several pads share a name; then routed paths per layer and width w, separated by ;. In a path a pad name is that pad's centre, name@x,y a point inside that pad or via, vN(x,y) a via of type N, cw(c..) or ccw(c..) an arc to the next point about the centre after c; other vN are vias at no path point)
3.3V: C4.2 C5.2 C7.2 C8.2 C9.2 C10.1 C11.2 C12.1 C13.2 C18.1 C30.2 J4.1 P1.2 R1.2 R5.1 S2.1 U1.1 U1.20 U1.21 U1.23 U1.35 U1.48 U2.5 U3.5 U7.20 | length 99.7
  Top Layer w0.2: v1(11.531,32.369) 11.525,32.363 11.525,31.668 10.815,30.958 10.815,29.501 10.95,29.366 10.95,29.36 11.355,28.955 C30.2@11.375,28.955 11.384,28.955 11.574,28.765 U7.20@11.574,27.225 ; C12.1@19.572,32.356 19.977,31.951 21.185,31.951 21.331,31.804 21.331,31.605 21.451,31.486 U1.23@22.201,31.486 ; C9.2@20.772,32.351 21.381,32.351 21.498,32.467 22.182,32.467 U1.21@22.201,32.486 ; v1(21.35,32.975) 21.355,32.98 22.195,32.98 U1.20@22.201,32.986 U1.20@22.182,33.005 ; U1.35@27.886,30.301 27.905,30.282 27.905,29.745 28.24,29.41 28.24,28.92 C5.2@28.36,28.8 ; U1.1@28.386,37.171 28.386,37.325 28.432,37.371 29.132,37.371 29.631,37.87 C4.2@30.5,37.87 ; U1.48@29.071,36.486 29.991,36.486 30.086,36.39 30.96,36.39 31.449,35.901 31.94,35.901 32.13,35.711 C7.2@32.13,35.691 ; v1(30.475,38.5) 30.5,38.475 31.047,38.475 31.164,38.358 31.164,36.636 31.311,36.49 31.935,36.49 32.241,36.184 32.241,35.802 C7.2@32.13,35.691 ; v2@31.575,35.025 31.9,35.025 32.125,35.25 32.125,35.686 C7.2@32.13,35.691 ; v2(32.175,38.875) 32.143,38.907 32.143,39.468 32.149,39.474 32.149,41.204 32.296,41.35 33.303,41.35 33.484,41.169 R1.2@34.4,41.169
  Top Layer w0.5: J4.1@3.525,31.75 4.294,32.519 U3.5@7.1,32.519 7.1,32.673 7.145,32.718 7.775,32.718 C18.1@9.85,34.793 ; S2.1@10.4,39.925 10.4,37.652 9.691,36.943 9.691,34.952 C18.1@9.85,34.793 ; v1(10.876,34.377) 10.618,34.634 10.009,34.634 C18.1@9.85,34.793 ; R5.1@17.05,32.345 C10.1@18.275,32.345 18.283,32.353 19.539,32.353 C12.1@19.547,32.361 19.552,32.356 C12.1@19.572,32.356 ; C5.2@28.36,28.8 28.375,28.785 v1(28.375,28.075) ; v1(30.475,38.5) 30.475,37.895 C4.2@30.5,37.87
  Bottom Layer w0.2: v1(10.876,34.377) 11.531,33.721 v1(11.531,32.369) ; v2(31.567,35.016) 32.175,35.624 v2(32.175,38.875)
  Bottom Layer w0.5: v1(17.408,39.858) 18.531,38.734 20.966,38.734 22.025,37.675 22.025,37 ; v1(21.35,32.975) 21.345,32.97 C13.2@20.5,32.97 C11.2@19.225,32.97 19.25,32.995 19.25,33.825 19.659,34.234 22.025,34.234 22.025,37 ; v1(28.375,28.075) 28.375,29.082 28.668,29.375 29,29.375 ; v1(30.475,38.5) 28.975,37 ; 36.163,29.313 36.855,28.62 U2.5@36.855,27.475 ; P1.2@39.3,29.775 36.625,29.775 36.12,29.27 C8.2@31.486,29.27 29,29.27 29,31.575 28.975,31.6 28.975,37 ; 22.025,37 28.975,37
5V: C6.2 C14.1 C22.1 C24.1 D2.5 J1.A4B9 J1.A9B4 L2.2 P4.4 R12.2 U2.3 U3.1 U3.3 | length 62
  Top Layer w0.5: P4.4@2.703,25.675 2.771,25.743 2.771,26.446 4.4,28.075 4.75,28.075 4.975,28.3 C14.1@4.975,28.525 ; v1(6.348,31.098) 6.02,30.771 6.02,29.795 4.975,28.75 C14.1@4.975,28.525 ; U3.3@9,30.009 8.955,30.054 8.955,30.364 8.745,30.574 8.745,30.694 8.227,31.211 7.813,31.211 7.355,30.753 7.355,30.657 7.145,30.447 7.145,30.054 U3.1@7.1,30.009 7.1,29.699 5.976,28.575 5.025,28.575 C14.1@4.975,28.525 ; v1(16.125,27.8) 22.659,27.8 23.084,27.375 29.892,27.375 30.25,27.733 v1(30.25,30)
  Bottom Layer w0.225: J1.A4B9@12.65,36 12.837,36.187 12.837,36.634 13.454,37.25 16.875,37.25 17.263,36.862 17.263,36.187 J1.A9B4@17.45,36
  Bottom Layer w0.5: R12.2@4.775,33.12 6.195,33.12 6.275,33.2 ; L2.2@9.925,29.857 11.175,29.857 12.637,28.394 12.637,28.39 13.227,27.8 v1(16.125,27.8) ; 11.775,31.575 12.6,32.4 15.125,32.4 ; D2.5@15.1,31.4 15.125,31.425 15.125,32.4 ; J1.A9B4@17.45,36 17.45,33.634 16.216,32.4 15.125,32.4 ; v1(30.25,30) 30.936,30 31.466,30.53 C6.2@31.486,30.53 33.715,30.53 35.585,32.4 U2.3@35.585,32.875
5VOUT: C28.2 R15.1 U7.5 | length 9.9
  Top Layer w0.2: C28.2@19.701,22.11 19.701,22.13 20.241,22.67 21.034,22.67 22.624,21.081 22.624,19.81 22.302,19.488 21.255,19.488 R15.1@21.239,19.471
  Top Layer w0.225: U7.5@16.524,22.275 18.226,22.275 18.391,22.11 C28.2@19.701,22.11
12V: C21.1 C23.1 C25.1 L1.2 P2.3 R10.2 U7.4 | length 32.4
  Top Layer w0.2: U7.4@16.524,21.775 18.224,21.775 18.9,21.099 18.9,21.097 19.111,20.886 C25.1@19.701,20.886 19.701,20.426 20.102,20.025 20.114,20.038 v3(22.074,20.038)
  Top Layer w0.5: 30.975,25.275 31.584,24.666 32.426,24.666 33.667,23.425 34.87,23.425 35.178,23.117 R10.2@36.197,23.117 36.237,23.077 36.657,23.077 36.95,22.784 36.95,17.05 37.95,16.05 39.935,16.05 41,14.985 41,12.293 40.707,12 P2.3@39.5,12 ; P2.3@39.525,11.875 P2.3@39.525,11.99
  Bottom Layer w0.2: v3(22.074,20.038) 23.511,20.038 23.523,20.025 23.725,20.025 v1(25.25,21.55)
  other v1: 26.825,25.075
12VOUT: C29.2 U7.3 | length 2
  Top Layer w0.2: U7.3@16.524,21.275 17.75,21.275 18.255,20.77 C29.2@18.275,20.77
48V: C15.1 C16.1 C17.1 C32.2 C39.1 C40.1 C41.2 C42.2 C43.2 J5.1 Q1.2 Q1.11 Q1.13 Q2.2 Q2.11 Q2.13 R8.2 U4.2 U4.3 U5.5 U7.33 | length 19.6
  Top Layer w0.2: C39.1@4.918,20.758 4.918,21.383 5.035,21.5 6.773,21.5 7.023,21.75 7.479,21.75 7.484,21.756 8.105,21.756 U7.33@8.124,21.775
  Top Layer w0.5: Q1.11@14.607,8.518 15.707,8.518 16.507,8.518 Q1.13@16.657,8.668 ; Q2.11@23.45,8.518 Q2.13@25.35,8.518 ; Q2.13@25.5,8.668 Q2.13@25.35,8.518 ; Q2.2@27.55,8.518 Q2.13@25.35,8.518
  Top Layer w0.7: 13.507,8.518 Q1.11@14.607,8.518 ; Q1.13@15.707,8.518 Q1.13@16.35,8.518 ; Q1.13@16.507,8.518 Q1.2@18.707,8.518 19.35,8.518 ; 22.704,8.363 22.842,8.5 Q2.13@25.9,8.5
  Bottom Layer w0.5: U5.5@3.815,27.8 U5.5@3.82,27.795 ; U5.5@3.83,27.795 3.83,26.43 R8.2@3.835,26.425
A1: C35.2 C46.2 P3.4 Q2.3 Q2.14 U7.45 | length 26.1
  Top Layer w0.2: U7.45@13.574,18.825 13.574,17.602 14.325,16.852 14.325,16.225 14.8,15.75 C35.2@14.8,15.7 v2(14.8,14.3) ; Q2.14@26.25,6.168 26.25,6.718 27.1,7.568 27.4,7.568 Q2.3@27.55,7.718
  Bottom Layer w0.2: v2(14.8,14.3) 18.15,14.3 20.575,11.875 20.575,7.125 22.55,5.15 25.85,5.15 26.25,5.55 26.25,6.125 v1(26.2,6.175)
A2: C33.2 C44.2 P3.3 Q2.10 Q2.15 U7.48 | length 21.2
  Top Layer w0.2: U7.48@15.074,18.825 15.093,18.806 15.093,18.107 16.847,16.353 17.128,16.353 C33.2@17.3,16.181 v2(17.3,15) ; Q2.10@23.45,7.718 23.6,7.568 23.9,7.568 24.75,6.718 Q2.15@24.75,6.168
  Bottom Layer w0.2: v2(17.3,15) 18.65,15 21.85,11.8 21.85,6.825 22.55,6.125 v1(24.775,6.125)
B1: C34.2 C47.2 P3.2 Q1.3 Q1.14 U7.37 | length 20.7
  Top Layer w0.2: C34.2@7.825,16.105 8.65,15.28 v2(8.65,14.287) ; C34.2@7.87,16.13 8.094,16.354 8.094,16.36 9.574,17.841 U7.37@9.574,18.825 ; v1(17.407,6.168) 17.407,6.718 18.257,7.568 18.557,7.568 Q1.3@18.707,7.718
  Bottom Layer w0.2: v2(8.65,14.287) 10.649,14.287 17.4,7.536 17.4,6.175 v1(17.407,6.168)
B2: C36.2 C45.2 P3.1 Q1.10 Q1.15 U7.40 | length 17.9
  Top Layer w0.2: C36.2@9.9,15.75 C36.2@9.9,15.7 ; v2(10.475,13.613) 10.475,15.125 C36.2@9.9,15.7 ; U7.40@11.074,18.825 11.074,17.774 9.9,16.6 C36.2@9.9,15.7 ; Q1.10@14.607,7.718 14.757,7.568 15.057,7.568 15.907,6.718 v1(15.907,6.168)
  Bottom Layer w0.2: v2(10.475,13.613) 10.475,13.6 15.907,8.168 v1(15.907,6.168)
BUCK1_CB: C19.2 U5.1 | length 4.3
  Bottom Layer w0.5: U5.1@2.876,30.2 U5.1@2.9,30.176 ; U5.1@2.901,30.05 U5.1@2.901,30.175 ; C19.2@6.14,29.91 6.16,29.91 C19.2@6.2,29.87 6.16,29.83 5.646,29.83 5.216,29.4 3.2,29.4 2.9,29.7 U5.1@2.9,30.176